# Altium PCB Ethernet2MilProtocolAdapter.PcbDoc (part 1 of 3) (continued)
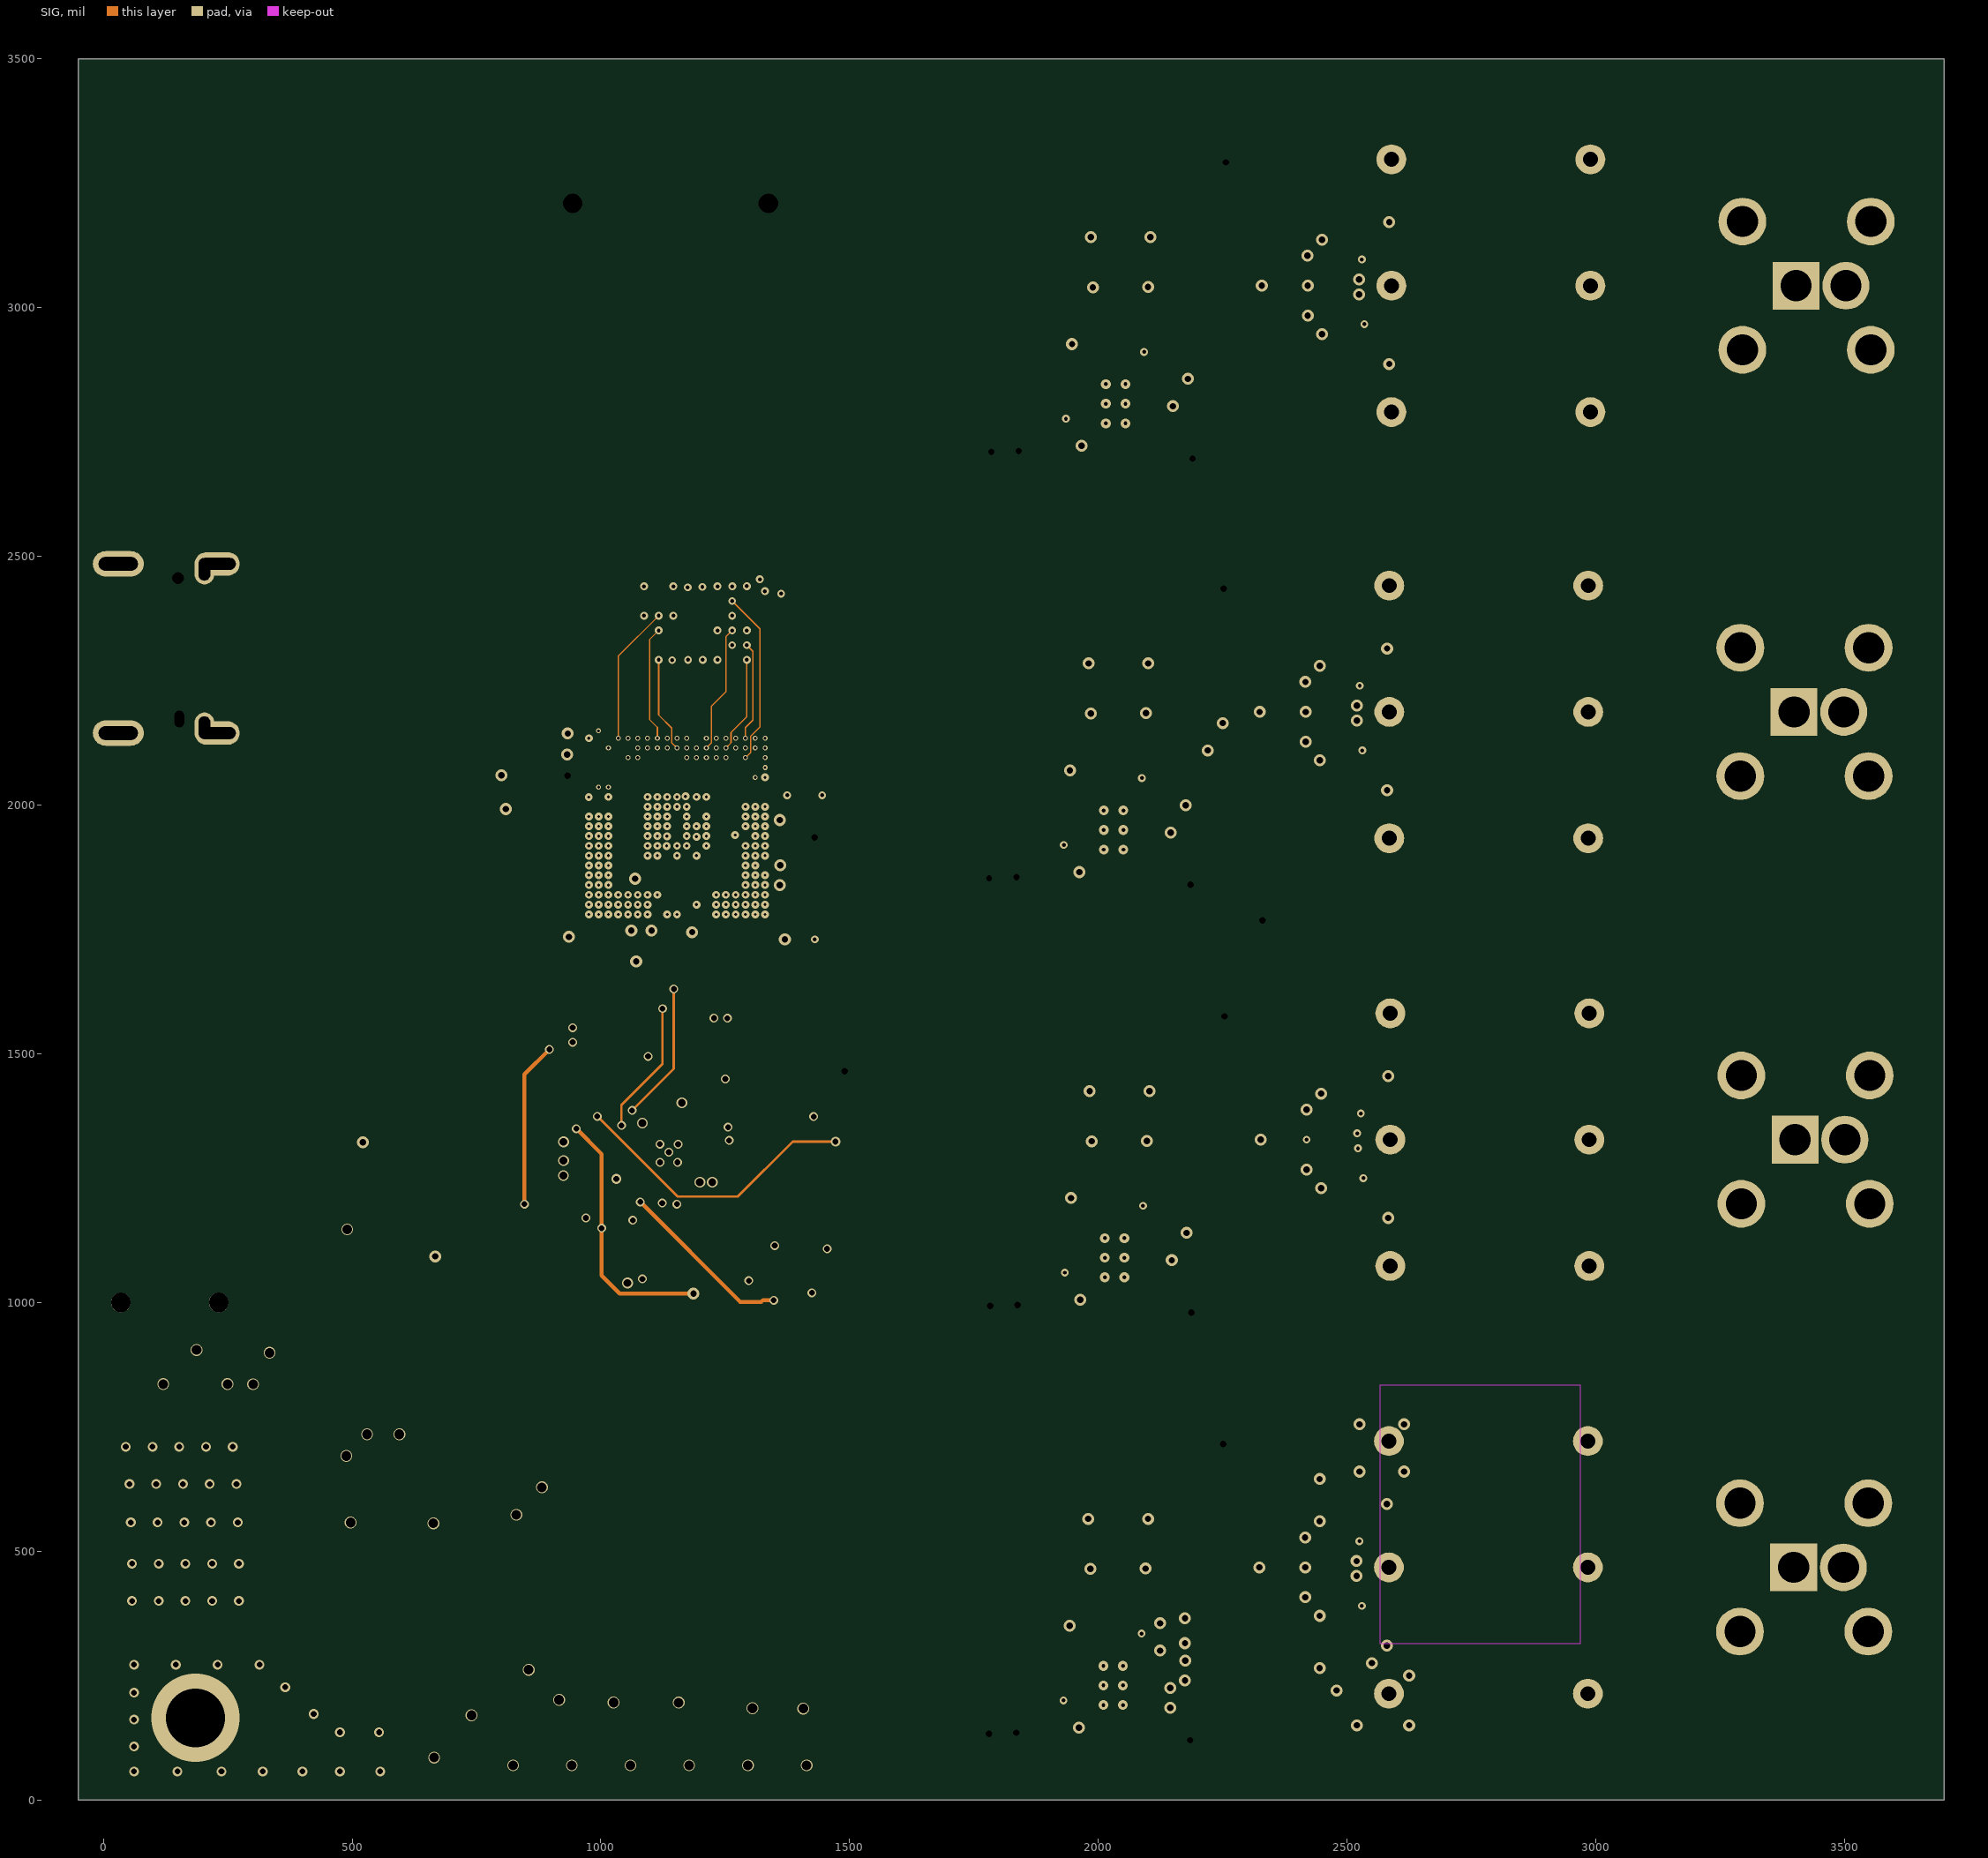
[diagram p4: SIG]
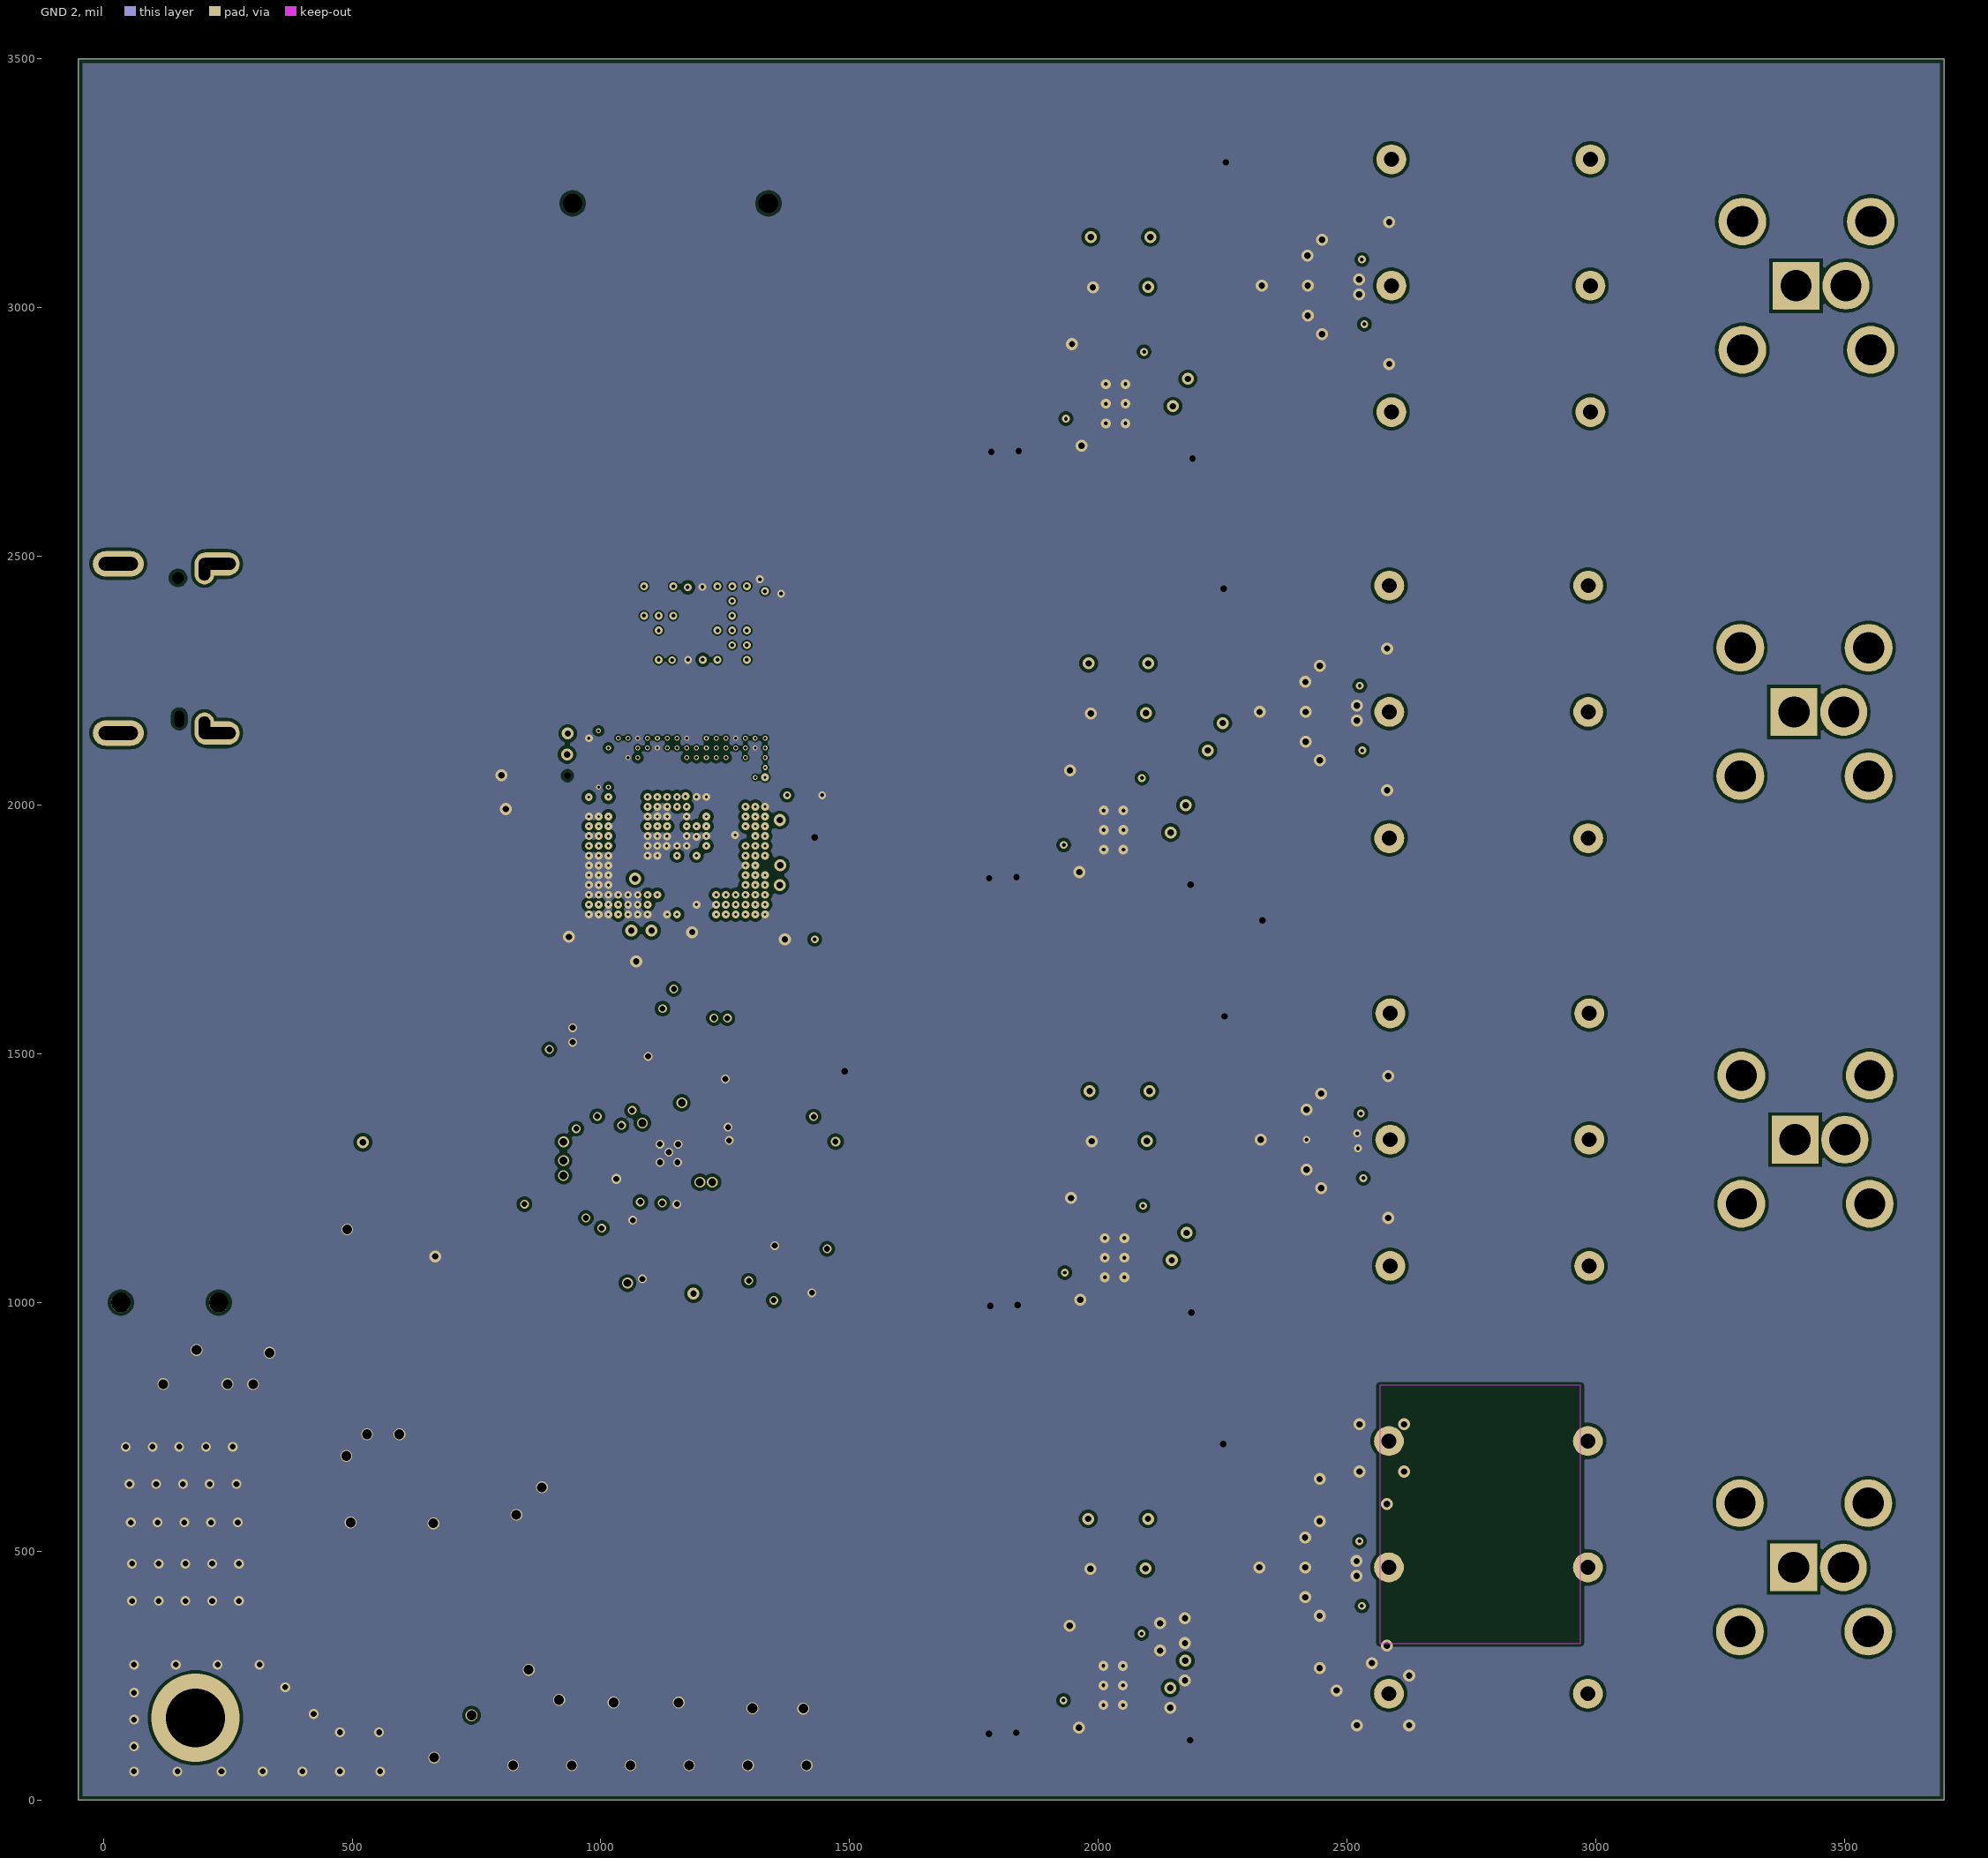
[diagram p5: GND 2]

## Layer stack, top to bottom
Top Solder: solder mask 0.4, Solder Resist, Dk 3.8
SIG TOP: signal copper 1.378
Dielectric 1: prepreg 3.913, 3313 RC57% 4.2mil, Dk 4.36
GND 1: signal copper 0.598
Dielectric 2: core 21.654, 0.55mm H/Hwithout copper, Dk 4.41
PWR: signal copper 0.598
Dielectric 3: dielectric 4.284, 2116, Dk 4.36
SIG: signal copper 0.598
DIelectric 4: core 21.654, 0.55mm H/Hwithout copper, Dk 4.41
GND 2: signal copper 0.598
Dielectric 5: prepreg 3.913, 3313 RC57% 4.2mil, Dk 4.36
SIG BOT: signal copper 1.378
Bottom Solder: solder mask 0.4, Solder Resist, Dk 3.8

## Board outline
-50,0 -50,3500 3700,3500 3700,0

## Design rules (kind name [scope] priority, off if disabled: settings)
BoardOutlineClearance BoardOutlineClearance_JLPC [All] p1: gap=7.87 ignorepadtopadclearanceinfootprint=FALSE // JLPC's listed limitation is 0.2mm from the edge. Left at default for safe measures.
Clearance BGA_0.5mmPitch [InComponentClass('Fine Pitch BGAs') or InNetClass('SRAM_NET_CLASS')] p1: gap=3 ignorepadtopadclearanceinfootprint=FALSE
Clearance Default [All] p2: gap=6.5 ignorepadtopadclearanceinfootprint=TRUE
DiffPairsRouting [All] p1: maxlimit=10 minlimit=5 mostfreqgap=10 toplayer_maxgap=5 toplayer_prefgap=5 toplayer_minwidth=5.51 toplayer_maxwidth=5.51 toplayer_prefwidth=5.51 midlayer4_maxgap=5 midlayer4_prefgap=5 midlayer4_minwidth=4.13 midlayer4_maxwidth=4.13 midlayer4_prefwidth=4.13 impedanceprofiledriven=TRUE impedanceprofileid={D89ED6CF-E598-4C6C-9C6D-2AD9A8DCFC98} impedanceprofilevalue=90.000000 maxuncoupledlength=500
FanoutControl "Schematic Fanout Control_7" [InNet('SRAM-DQ6')] p1: bgadir=Out bgaviamode=Centered fanoutstyle=BGA fanoutdirection=Alternating viagrid=1
FanoutControl "Schematic Fanout Control_6" [InNet('SRAM-DQ5')] p2: bgadir=Out bgaviamode=Centered fanoutstyle=BGA fanoutdirection=Alternating viagrid=1
FanoutControl "Schematic Fanout Control_5" [InNet('SRAM-DQ0')] p3: bgadir=Out bgaviamode=Centered fanoutstyle=BGA fanoutdirection=Alternating viagrid=1
FanoutControl "Schematic Fanout Control_4" [InNet('SRAM-DQ4')] p4: bgadir=Out bgaviamode=Centered fanoutstyle=BGA fanoutdirection=Alternating viagrid=1
FanoutControl "Schematic Fanout Control_3" [InNet('SRAM-DQ1')] p5: bgadir=Out bgaviamode=Centered fanoutstyle=BGA fanoutdirection=Alternating viagrid=1
FanoutControl "Schematic Fanout Control_2" [InNet('SRAM-DQ2')] p6: bgadir=Out bgaviamode=Centered fanoutstyle=BGA fanoutdirection=Alternating viagrid=1
FanoutControl "Schematic Fanout Control_1" [InNet('SRAM-DQ3')] p7: bgadir=Out bgaviamode=Centered fanoutstyle=BGA fanoutdirection=Alternating viagrid=1
FanoutControl "Schematic Fanout Control" [InNet('SRAM-DQ7')] p8: bgadir=Out bgaviamode=Centered fanoutstyle=BGA fanoutdirection=Alternating viagrid=1
FanoutControl Fanout_BGA [IsBGA] p9: bgadir=In bgaviamode=Centered fanoutstyle=UnderPads fanoutdirection=OutOnly viagrid=1 // Fanout_BGA (Default Rule)
FanoutControl Fanout_LCC [IsLCC] p10: bgadir=Out bgaviamode=Centered fanoutstyle=Auto fanoutdirection=Alternating viagrid=1 // Fanout_LCC (Default Rule)
FanoutControl Fanout_SOIC [IsSOIC] p11: bgadir=Out bgaviamode=Centered fanoutstyle=Auto fanoutdirection=Alternating viagrid=1 // Fanout_SOIC (Default Rule)
FanoutControl Fanout_Small [(CompPinCount < 5)] p12: bgadir=Out bgaviamode=Centered fanoutstyle=Auto fanoutdirection=OutThenIn viagrid=1 // Fanout_Small (Default Rule)
FanoutControl Fanout_Default [All] p13: bgadir=Out bgaviamode=Centered fanoutstyle=Auto fanoutdirection=Alternating viagrid=1 // Fanout_Default (Default Rule)
HoleSize [All] p1: absolutevalues=TRUE maxlimit=100 minlimit=5.91 maxpercent=80.000 minpercent=20.000
MatchedLengths "Schematic Matched Net Lengths" [InNet('SRAM-DQ0')] p1: tolerance=1000 checknetsindiffpair=FALSE checkdiffpairvsdiffpair=TRUE checkxsignals=TRUE checkothers=TRUE usedelayunits=TRUE delaytolerance=100.000000
MatchedLengths "Schematic Matched Net Lengths_7" [InNet('SRAM-DQ7')] p2: tolerance=1000 checknetsindiffpair=FALSE checkdiffpairvsdiffpair=TRUE checkxsignals=TRUE checkothers=TRUE usedelayunits=TRUE delaytolerance=100.000000
MatchedLengths "Schematic Matched Net Lengths_6" [InNet('SRAM-DQ1')] p3: tolerance=1000 checknetsindiffpair=FALSE checkdiffpairvsdiffpair=TRUE checkxsignals=TRUE checkothers=TRUE usedelayunits=TRUE delaytolerance=100.000000
MatchedLengths "Schematic Matched Net Lengths_5" [InNet('SRAM-DQ5')] p4: tolerance=1000 checknetsindiffpair=FALSE checkdiffpairvsdiffpair=TRUE checkxsignals=TRUE checkothers=TRUE usedelayunits=TRUE delaytolerance=100.000000
MatchedLengths "Schematic Matched Net Lengths_4" [InNet('SRAM-DQ3')] p5: tolerance=1000 checknetsindiffpair=FALSE checkdiffpairvsdiffpair=TRUE checkxsignals=TRUE checkothers=TRUE usedelayunits=TRUE delaytolerance=100.000000
MatchedLengths "Schematic Matched Net Lengths_3" [InNet('SRAM-DQ4')] p6: tolerance=1000 checknetsindiffpair=FALSE checkdiffpairvsdiffpair=TRUE checkxsignals=TRUE checkothers=TRUE usedelayunits=TRUE delaytolerance=100.000000
MatchedLengths "Schematic Matched Net Lengths_2" [InNet('SRAM-DQ6')] p7: tolerance=1000 checknetsindiffpair=FALSE checkdiffpairvsdiffpair=TRUE checkxsignals=TRUE checkothers=TRUE usedelayunits=TRUE delaytolerance=100.000000
MatchedLengths "Schematic Matched Net Lengths_1" [InNet('SRAM-DQ2')] p8: tolerance=1000 checknetsindiffpair=FALSE checkdiffpairvsdiffpair=TRUE checkxsignals=TRUE checkothers=TRUE usedelayunits=TRUE delaytolerance=100.000000
MinimumAnnularRing [All] p1: minimumring=7.87
PlaneClearance [All] p1: clearance=78.74
PlaneConnect [All] p1: planeconnectstyle=Direct reliefexpansion=20 reliefentries=4 reliefconductorwidth=10 reliefairgap=10
PolygonConnect [All] p1: thpad.connectstyle=Direct thpad.reliefconductorwidth=10 thpad.reliefentries=4 thpad.polygonreliefangle="90 Angle" thpad.airgapwidth=10 smdpad.connectstyle=Relief smdpad.reliefconductorwidth=5.91 smdpad.reliefentries=4 smdpad.polygonreliefangle="90 Angle" smdpad.airgapwidth=10 smdpad.conductorbypadedge=TRUE smdpad.mindistance=15 smdpad.enablemindistance=FALSE via.connectstyle=Direct via.reliefconductorwidth=10 via.reliefentries=4 via.polygonreliefangle="90 Angle" via.airgapwidth=10
ReturnPath [All] p1: impedanceprofileid={86487689-76A8-492A-9B63-C39B340D0AC5} _gaplimit=0
RoomDefinition 2B [InComponentClass('2B')] p1: confinementstyle=ConfineIn formatcopy=TRUE lockcomponents=TRUE outline 1714.32,35 3949.32,35 3949.32,890.22 1714.32,890.22
RoomDefinition 2A [InComponentClass('2A')] p2: confinementstyle=ConfineIn formatcopy=TRUE lockcomponents=TRUE outline 1715,1755 3950,1755 3950,2610.22 1715,2610.22
RoomDefinition 1B [InComponentClass('1B')] p3: confinementstyle=ConfineIn formatcopy=TRUE lockcomponents=FALSE outline 1717.16,895 3952.16,895 3952.16,1750.22 1717.16,1750.22
RoomDefinition 1A [InComponentClass('1A')] p4: confinementstyle=ConfineIn formatcopy=TRUE lockcomponents=FALSE outline 1719.32,2611.99 3954.32,2611.99 3954.32,3467.21 1719.32,3467.21
RoutingLayers [All] p1: top layer_v5=TRUE mid layer 1_v5=FALSE mid layer 2_v5=TRUE mid layer 3_v5=TRUE mid layer 4_v5=FALSE bottom layer_v5=TRUE
RoutingVias BGA_0.5_PitchViaInPad [InComponentClass('Fine Pitch BGAs')] p1: holewidth=5.91 width=9.84 viastyle="Through Hole" minholewidth=5.91 minwidth=9.84 maxholewidth=19.68 maxwidth=23.62
RoutingVias [All] p2: holewidth=11.81 width=17.72 viastyle="Through Hole" minholewidth=9.84 minwidth=11.81 maxholewidth=28 maxwidth=50
ShortCircuit ShortCircuit_1 [All] p1: allowed=FALSE
ShortCircuit [All] p2: allowed=FALSE
SolderMaskExpansion [All] p1: expansion=4 istentingtop=FALSE
SupplyNets "Schematic Supply Nets_2" [InNet('LOCAL_3.3V.1')] p1: voltage=0.000
SupplyNets "Schematic Supply Nets_5" [InNet('VCC1.0')] p2: voltage=0.000
SupplyNets "Schematic Supply Nets_1" [InNet('VCC1.8')] p3: voltage=0.000
SupplyNets "Schematic Supply Nets" [InNet('+5')] p4: voltage=0.000
SupplyNets "Schematic Supply Nets_4" [InNet('VCC3.3')] p5: voltage=0.000
SupplyNets "Schematic Supply Nets_30" [InNet('+12')] p6: voltage=0.000
SupplyNets "Schematic Supply Nets_29" [InNet('F_AGND')] p7: voltage=0.000
SupplyNets "Schematic Supply Nets_3" [InNet('GND')] p8: voltage=0.000
ViasUnderSMD BGA_AllowViaInPad [isbga] p1: allowed=TRUE
Width BGA_0.5mmPitch_Width [InComponentClass('Fine Pitch BGAs') or IsBGA or InNetClass('SRAM_NET_CLASS')] p1: maxlimit=4.87 minlimit=2.78 preferedwidth=2.78 toplayer_minwidth=3.54 toplayer_maxwidth=3.54 toplayer_prefwidth=3.54 midlayer3_maxwidth=2.78 bottomlayer_minwidth=3.54 bottomlayer_maxwidth=3.54 bottomlayer_prefwidth=3.54 impedanceprofiledriven=TRUE impedanceprofileid={531376AD-2D05-48AB-AAC9-DCB574D4D2AB} impedanceprofilevalue=60.000000 minimp=50.000000 maximp=50.000000 favimp=50.000000
Width TransformerNets [InNetClass('TranformerNet')] p2: maxlimit=10 minlimit=4.87 preferedwidth=10 toplayer_minwidth=6.81 toplayer_maxwidth=6.81 toplayer_prefwidth=6.81 midlayer1_maxwidth=4.87 midlayer1_prefwidth=4.87 midlayer3_minwidth=5.33 midlayer3_maxwidth=5.33 midlayer3_prefwidth=5.33 bottomlayer_minwidth=6.81 bottomlayer_maxwidth=6.81 bottomlayer_prefwidth=6.81 impedanceprofiledriven=TRUE impedanceprofileid={86487689-76A8-492A-9B63-C39B340D0AC5} impedanceprofilevalue=50.000000 minimp=50.000000 maximp=50.000000 favimp=50.000000
Width DefaultWidth [All] p3: maxlimit=60 minlimit=6 preferedwidth=10 toplayer_maxwidth=30 midlayer1_maxwidth=30 midlayer3_maxwidth=30 midlayer4_maxwidth=30 bottomlayer_maxwidth=30 minimp=50.000000 maximp=50.000000 favimp=50.000000
19 further rules are at their usual default settings.

## Classes and differential pairs
component class Ethernet2MilProtocolAdapter: CN1 FD1 IC2 M1
channel class IO_MIL1553_TopConfiguration: 1A 1B 2A 2B
component class 2B: C61_2B C62_2B C63_2B C64_2B D8_2B D9_2B D10_2B D11_2B IC1_2B J2_2B Q3_2B R31_2B R32_2B R33_2B R34_2B R35_2B R36_2B R37_2B R38_2B R39_2B R40_2B R41_2B R42_2B R43_2B T1_2B U5_2B U6.4
component class 2A: C61_2A C62_2A C63_2A C64_2A D8_2A D9_2A D10_2A D11_2A IC1_2A J2_2A Q3_2A R31_2A R32_2A R33_2A R34_2A R35_2A R36_2A R37_2A R38_2A R39_2A R40_2A R41_2A R42_2A R43_2A T1_2A U5_2A U6.3
component class 1B: C61_1B C62_1B C63_1B C64_1B D8_1B D9_1B D10_1B D11_1B IC1_1B J2_1B Q3_1B R31_1B R32_1B R33_1B R34_1B R35_1B R36_1B R37_1B R38_1B R39_1B R40_1B R41_1B R42_1B R43_1B T1_1B U5_1B U6.2
component class 1A: C61_1A C62_1A C63_1A C64_1A D8_1A D9_1A D10_1A D11_1A IC1_1A J2_1A Q3_1A R31_1A R32_1A R33_1A R34_1A R35_1A R36_1A R37_1A R38_1A R39_1A R40_1A R41_1A R42_1A R43_1A T1_1A U5_1A U6.1
net class SRAM_NET_CLASS: SRAM-A0 SRAM-A1 SRAM-A2 SRAM-A3 SRAM-A4 SRAM-A5 SRAM-A6 SRAM-A7 SRAM-A8 SRAM-A9 SRAM-A10 SRAM-A11 SRAM-A12 SRAM-A13 SRAM-A14 SRAM-A15 SRAM-A16 SRAM-A17 SRAM-A18 SRAM-CE_n SRAM-DQ0 SRAM-DQ1 SRAM-DQ2 SRAM-DQ3 SRAM-DQ4 SRAM-DQ5 SRAM-DQ6 SRAM-DQ7 SRAM-OE_n SRAM-WE_n
component class "General IO Connections": C65 R44 R45 R46 R47 R49 R50 R51 R52 R53 R54 R55 R56 R57 R58 R59 R60 R61
component class "Main VCCO Power Banks": C1 C30 C31 C32 C33 C34 C35 C36 C37 C38 C39 C40 C41 C42 C43 C44 C45 C46 C47 C48 C49 C50 C51 C52 C53 C54 C55 C56 C57 C58
component class "Ground Connections": NT2
component class "Main Power Supply": C59 C60 D6 D7 J1 L5 U4
component class "Programing and Configuration": D1 D2 D3 D4 D5 P1 R17 R18 R19 R20 R21 R22 R23 R24 R25 R26 R27 R28 R29 R30
component class "SRAM Memory": C10 C11 C12 C13 R16 U2 U3 Y1
component class "Seconday Power Supply": C1 C2 C3 C4 C5 C6 C7 C8 C9 DS1 L1 L2 L3 Q1 Q2 R1 R2 R3 R4 R5 R6 R7 R8 R9 R10 R11 R12 R13 R14 R15 U1
component class "Other Power Banks": C14 C17 C18 C19 C20 C21 C22 C23 C24 C25 C26 C27 C28 C29 L4 NT1 NT?
differential pair TX_OUT_DRIVE.4: +TX_OUT_DRIVE.4_P -TX_OUT_DRIVE.4_N
differential pair TX_OUT_DRIVE.3: +TX_OUT_DRIVE.3_P -TX_OUT_DRIVE.3_N
differential pair TX_OUT_DRIVE.2: +TX_OUT_DRIVE.2_P -TX_OUT_DRIVE.2_N
differential pair TX_OUT_DRIVE.1: +TX_OUT_DRIVE.1_P -TX_OUT_DRIVE.1_N
differential pair MIL_1553_2B_TX: +MIL_1553_2B_TX_P -MIL_1553_2B_TX_N
differential pair MIL_1553_2A_TX: +MIL_1553_2A_TX_P -MIL_1553_2A_TX_N
differential pair MIL_1553_1B_TX: +MIL_1553_1B_TX_P -MIL_1553_1B_TX_N
differential pair MIL_1553_1A_TX: +MIL_1553_1A_TX_P -MIL_1553_1A_TX_N
differential pair "ARINC 429_TX": +"ARINC 429_TX_P" -"ARINC 429_TX_N"
differential pair "ARINC 429_RX": +"ARINC 429_RX_P" -"ARINC 429_RX_N"

## Components (designator, comment, footprint, x,y, rotation, side; value= is the part's Value field where it differs from the comment)
C1 "Capacitor 470nF +/-40% 10V 0402" CAPC0402(1005)60_L 1194.92,2070.22 r180 bottom value=470nF
C1 "C0402C200J5GACTU" FP-C0402-BB-MFG 1431.4,1319.07 r270 top value=20pF
C2 "GRM21BR60J226ME39L" FP-GRM21B-0_15-MFG 1347.11,1376.16 r180 top
C3 "GRM21BR60J226ME39L" FP-GRM21B-0_15-MFG 875,1250 r270 bottom
C4 "GRM21BR60J226ME39L" FP-GRM21B-0_15-MFG 879.13,1403.68 r90 bottom
C5 "GRM21BR60J226ME39L" FP-GRM21B-0_15-MFG 984.1,1251.84 r270 top
C6 "GRM188R60J106ME47D" FP-GRM188-0_1-e0_2_0_55-IPC_A 1244.4,1492.74 r270 top
C7 "C0402C200J5GACTU" FP-C0402-BB-MFG 1170.02,1594.91 r180 top value=20pF
C8 "C0402C200J5GACTU" FP-C0402-BB-MFG 1136.48,1018.06 r0 top value=20pF
C9 "GRM188R60J106ME47D" FP-GRM188-0_1-e0_2_0_55-IPC_A 1056.66,1122.54 r90 top
C10 "Capacitor 100µF +/-20% 6.3V 0805" CAPC0805(2012)145_L 6685,480 r0 top value=100µF
C11 "Capacitor 100µF +/-20% 6.3V 0805" CAPC0805(2012)145_L 6230,480 r0 top value=100µF
C12 "CGA4J3X7R1H474M125AE" FP-CGA4J-IPC_A 6115,1555 r0 top
C13 "EMK107SD103KA-T" FP-0603-L_1_6_0_1-W_0_8_0-MFG 6305,1535 r0 top
C14 "Capacitor 100µF +/-20% 6.3V 0805" CAPC0805(2012)145_L 1410,2020 r0 bottom value=100µF
C17 "Capacitor 470nF +/-40% 10V 0402" CAPC0402(1005)60_L 1528.23,1868.76 r180 bottom value=470nF
C18 "Capacitor 470nF +/-40% 10V 0402" CAPC0402(1005)60_L 345,1660 r270 bottom value=470nF
C19 "Capacitor 470nF +/-40% 10V 0402" CAPC0402(1005)60_L 465,1600 r180 bottom value=470nF
C20 "Capacitor 470nF +/-40% 10V 0402" CAPC0402(1005)60_L 570,1600 r180 bottom value=470nF
C21 "Capacitor 470nF +/-40% 10V 0402" CAPC0402(1005)60_L 660,1780 r180 bottom value=470nF
C22 "Capacitor 470nF +/-40% 10V 0402" CAPC0402(1005)60_L 11045,870 r0 top value=470nF
C23 "Capacitor 100µF +/-20% 6.3V 0805" CAPC0805(2012)145_L 886.12,2082.19 r90 top value=100µF
C24 "Capacitor 100µF +/-20% 6.3V 0805" CAPC0805(2012)145_L 885.5,1957.4 r270 top value=100µF
C25 "Capacitor 470nF +/-40% 10V 0402" CAPC0402(1005)60_L 887.43,1828.73 r180 top value=470nF
C26 "Capacitor 100µF +/-20% 6.3V 0805" CAPC0805(2012)145_L 10825,860 r0 top value=100µF
C27 "Capacitor 470nF +/-40% 10V 0402" CAPC0402(1005)60_L 885.94,1872.68 r0 top value=470nF
C28 "Capacitor 470nF +/-40% 10V 0402" CAPC0402(1005)60_L 6065,15 r0 top value=470nF
C29 "EMK107SD103KA-T" FP-0603-L_1_6_0_1-W_0_8_0-MFG 6535,1035 r0 top
C30 "Capacitor 100µF +/-20% 6.3V 0805" CAPC0805(2012)145_L 883.53,1992.19 r180 bottom value=100µF
C31 "Capacitor 470nF +/-40% 10V 0402" CAPC0402(1005)60_L 1042.98,1991.27 r270 bottom value=470nF
C32 "Capacitor 100µF +/-20% 6.3V 0805" CAPC0805(2012)145_L 909.09,1828.73 r270 bottom value=100µF
C33 "Capacitor 4.7µF +/-20% 10V 0603" CAPC0603(1608)100_L 866.49,2143.94 r0 bottom value=4.7µF
C34 "Capacitor 4.7µF +/-20% 10V 0603" CAPC0603(1608)100_L 866.72,2101.9 r0 bottom value=4.7µF
C35 "Capacitor 470nF +/-40% 10V 0402" CAPC0402(1005)60_L 1064.61,2070.34 r0 bottom value=470nF
C36 "Capacitor 470nF +/-40% 10V 0402" CAPC0402(1005)60_L 1064.98,2039.99 r180 bottom value=470nF
C37 "Capacitor 470nF +/-40% 10V 0402" CAPC0402(1005)60_L 1128.58,2070.22 r180 bottom value=470nF
C38 "Capacitor 470nF +/-40% 10V 0402" CAPC0402(1005)60_L 1128.79,2040.76 r180 bottom value=470nF
C39 "Capacitor 100µF +/-20% 6.3V 0805" CAPC0805(2012)145_L 1298.44,1725.4 r0 bottom value=100µF
C40 "Capacitor 4.7µF +/-20% 10V 0603" CAPC0603(1608)100_L 1397.52,1805.93 r270 bottom value=4.7µF
C41 "Capacitor 4.7µF +/-20% 10V 0603" CAPC0603(1608)100_L 1398.56,1906.48 r90 bottom value=4.7µF
C42 "Capacitor 470nF +/-40% 10V 0402" CAPC0402(1005)60_L 1238.93,1940.9 r90 bottom value=470nF
C43 "Capacitor 470nF +/-40% 10V 0402" CAPC0402(1005)60_L 1529.35,1897.95 r0 bottom value=470nF
C44 "Capacitor 470nF +/-40% 10V 0402" CAPC0402(1005)60_L 1194.54,1873.9 r0 bottom value=470nF
C45 "Capacitor 470nF +/-40% 10V 0402" CAPC0402(1005)60_L 1410,1970 r0 bottom value=470nF
C46 "Capacitor 100µF +/-20% 6.3V 0805" CAPC0805(2012)145_L 889.51,2203.97 r180 bottom value=100µF
C47 "Capacitor 4.7µF +/-20% 10V 0603" CAPC0603(1608)100_L 865.15,2059.19 r180 bottom value=4.7µF
C48 "Capacitor 4.7µF +/-20% 10V 0603" CAPC0603(1608)100_L 970,2215.64 r90 bottom value=4.7µF
C49 "Capacitor 470nF +/-40% 10V 0402" CAPC0402(1005)60_L 1195.13,2040.76 r180 bottom value=470nF
C50 "Capacitor 470nF +/-40% 10V 0402" CAPC0402(1005)60_L 1241.21,2053.24 r270 bottom value=470nF
C51 "Capacitor 470nF +/-40% 10V 0402" CAPC0402(1005)60_L 1266.73,2053.57 r270 bottom value=470nF
C52 "Capacitor 100µF +/-20% 6.3V 0805" CAPC0805(2012)145_L 1181.89,1727.98 r0 bottom value=100µF